# KiCad board impeller18.kicad_pcb (continued)
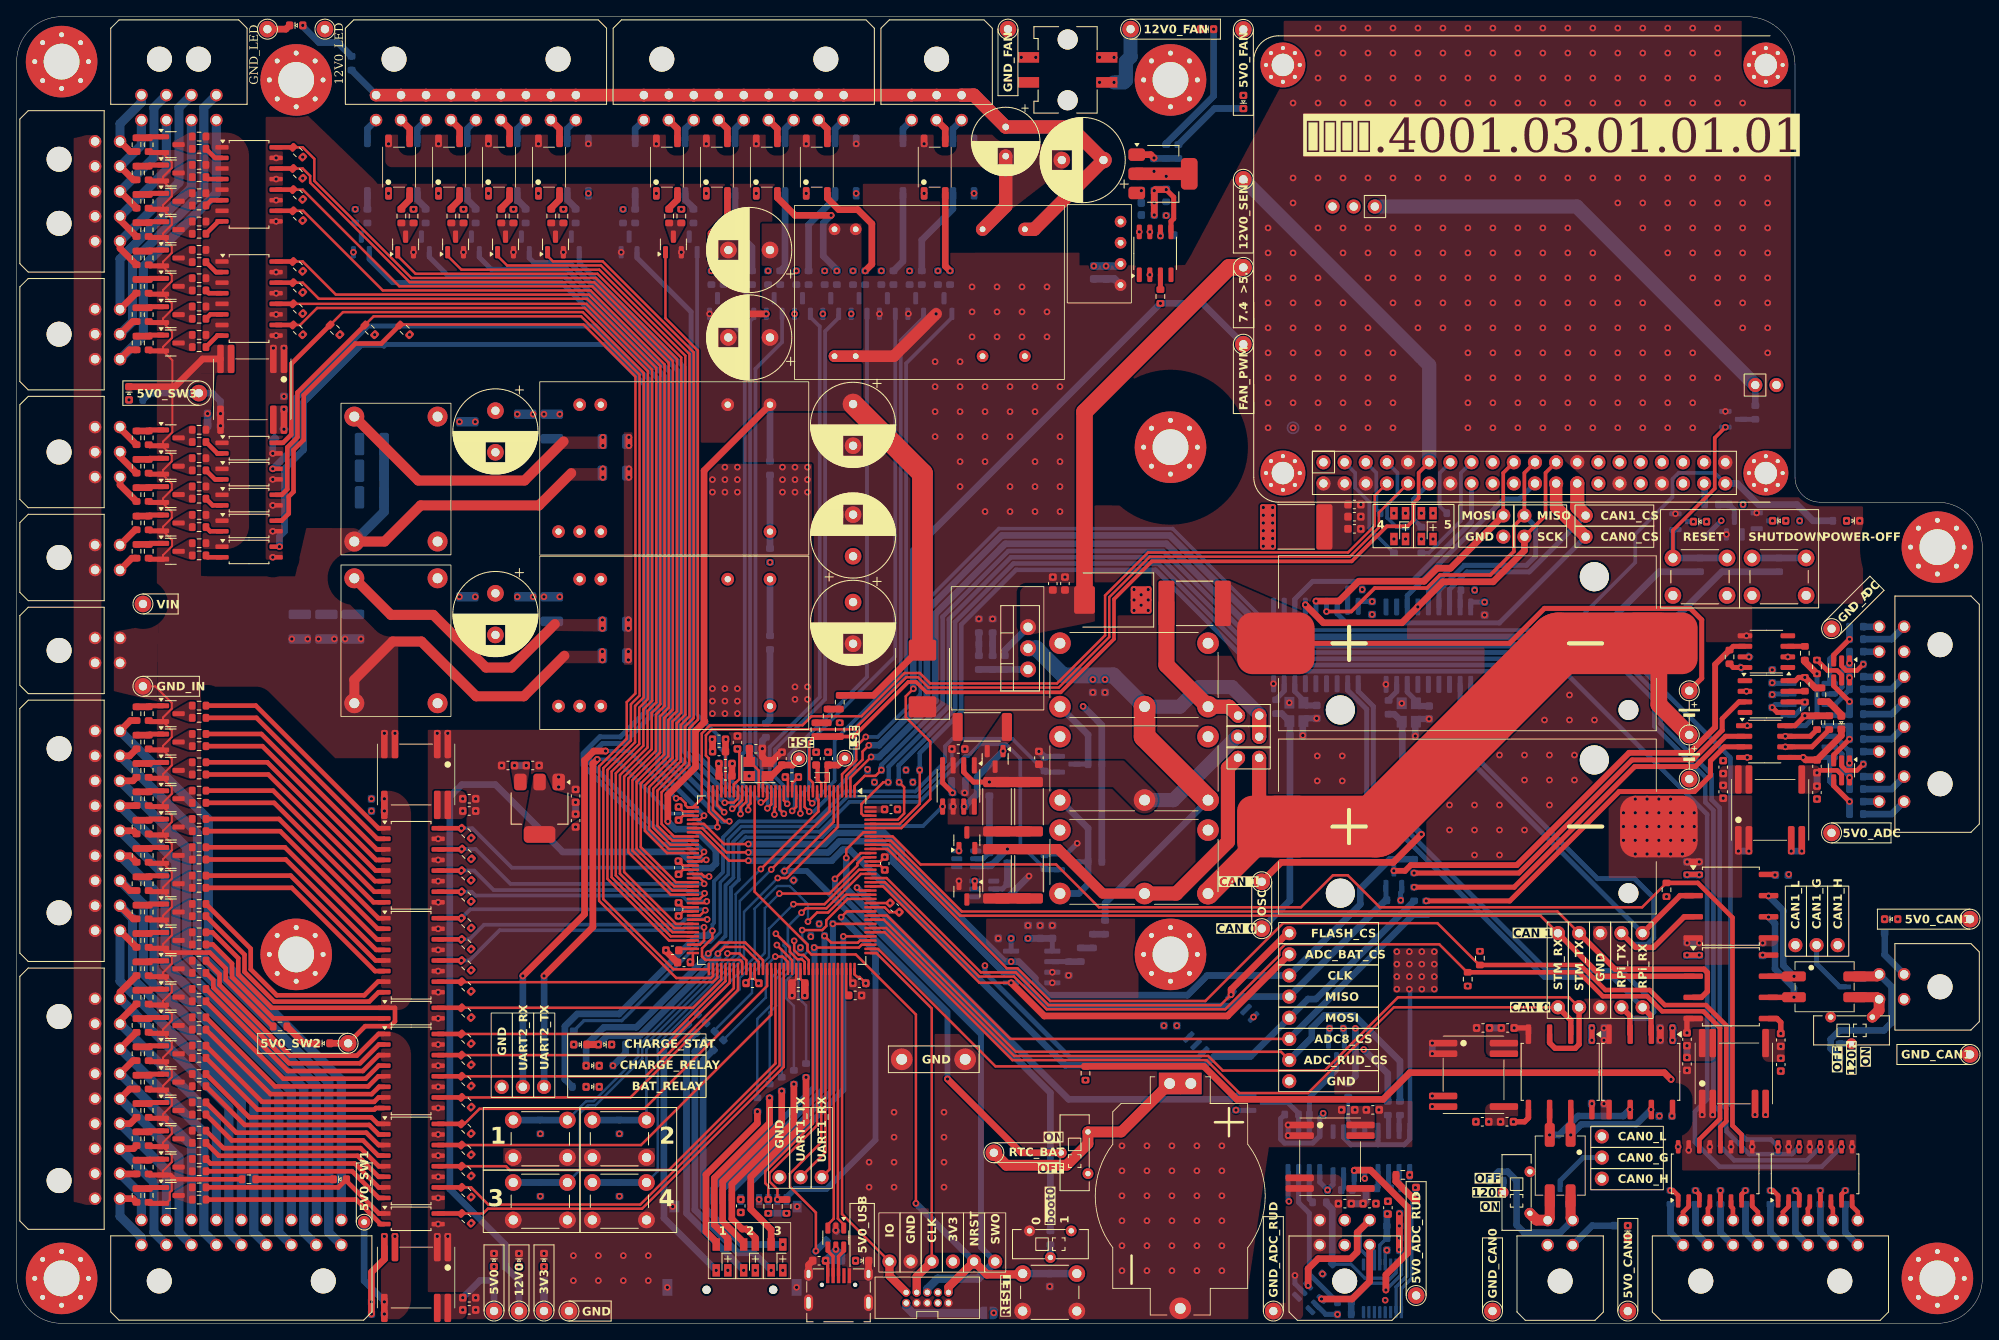
[diagram p0: board, top side]
## Nets (continued)
Net-(R69-Pad2): R69.2 U18.4
Net-(R70-Pad2): R70.2 U19.4
Net-(R79-Pad2): R79.2 U18.6
Net-(R80-Pad2): R80.2 U19.6
Net-(R89-Pad2): R89.2 U18.8
Net-(R90-Pad2): R90.2 U19.8
Net-(R99-Pad2): R99.2 U20.2
Net-(R100-Pad2): R100.2 U21.2
Net-(R109-Pad2): R109.2 U20.4
Net-(R110-Pad2): R110.2 U21.4
Net-(R119-Pad2): R119.2 U20.6
Net-(R120-Pad2): R120.2 U21.6
Net-(R129-Pad2): R129.2 U20.8
Net-(R130-Pad2): R130.2 U21.8
Net-(R139-Pad2): R139.2 U22.2
Net-(R140-Pad2): R140.2 U23.2
Net-(R148-Pad2): R148.2 U26.2
Net-(R153-Pad2): R153.2 U26.4
Net-(R158-Pad2): R158.2 U26.6
Net-(R163-Pad2): R163.2 U26.8
Net-(R169-Pad2): R169.2 U27.2
Net-(R174-Pad2): R174.2 U27.4
Net-(R179-Pad2): R179.2 U27.6
Net-(R184-Pad2): R184.2 U27.8
Net-(R189-Pad2): R189.2 U29.2
Net-(R194-Pad2): R194.2 U30.2
Net-(R199-Pad2): R199.2 U31.2
Net-(R204-Pad2): R204.2 U32.2
Net-(R209-Pad2): R209.2 U33.2
Net-(R212-Pad2): R212.2 U34.2
Net-(R215-Pad2): R215.2 U35.2
Net-(R217-Pad2): R217.2 U36.2
Net-(R218-Pad2): R218.2 U37.2
Net-(R221-Pad2): R221.2 U38.2
Net-(R223-Pad2): R223.2 U39.2
Net-(R224-Pad2): R224.2 U40.2
Net-(R227-Pad2): R227.2 U41.2
Net-(R229-Pad2): R229.2 U42.2
Net-(R230-Pad2): R230.2 U43.2
Net-(R232-Pad2): R232.2 U44.2
Net-(R234-Pad2): R234.2 U45.2
Net-(R236-Pad2): R236.2 U46.2
Net-(R238-Pad2): R238.2 U47.2
Net-(R240-Pad2): R240.2 U48.2
Net-(R242-Pad2): R242.2 U49.2
Net-(R244-Pad2): R244.2 U50.2
Net-(R246-Pad2): R246.2 U51.2
Net-(R248-Pad2): R248.2 U52.2
Net-(R250-Pad2): R250.2 U53.2
Net-(R252-Pad2): R252.2 U54.2
Net-(R299-Pad2): R299.2 U69.7
Net-(R301-Pad2): R301.2 U69.5
Net-(R303-Pad2): R303.2 U69.3
Net-(R305-Pad2): R305.2 U69.1
Net-(R307-Pad2): R307.2 U70.7
Net-(R309-Pad2): R309.2 U70.5
Net-(R311-Pad2): R311.2 U70.3
Net-(R313-Pad2): R313.2 U70.1
Net-(R348-Pad2): R348.2 R351.1 R352.1
Net-(SW2-B): R1.2 SW2.2
Net-(SW8-B): R39.2 SW8.2
Net-(SW9-B): R43.2 SW9.2
Net-(U3-REG): R6.2 R7.1 U3.11
Net-(U4-REG): R11.2 R14.1 U4.11
Net-(U5-VDD): C52.1 R17.1 U5.2
Net-(U6-TS): R22.1 R24.2 U6.4
Net-(U7-VDD): C55.1 R23.1 U7.2
Net-(U8-ADJ): R29.2 R31.1 R348.1 U8.1
Net-(U9-IN+): R36.1 R38.1 U9.2
Net-(U12-OSC1): R40.2 U12.8
Net-(U12-OSC2): C71.2 U12.7 Y3.1
Net-(U12-~{RESET}): R41.2 U12.17
Net-(U16-OSC1): R44.2 U16.8
Net-(U16-OSC2): C84.2 U16.7 Y4.1
Net-(U16-~{RESET}): R45.2 U16.17
Net-(U57-C): R260.1 U57.3
Net-(U57-EN): R259.2 U57.7
Net-(U59-C1): R261.1 U59.2
Net-(U59-C2): R262.2 U59.3
Net-(U61-C): R282.1 U61.3
Net-(U61-EN): R279.2 U61.7
Net-(U64-C): R290.2 U64.3
Net-(U64-EN): R289.1 U64.7
Net-(U65-AVDD): C119.2 C120.2 C121.2 L5.1 U65.12
Net-(U66-C1): R291.1 U66.2
Net-(U66-C2): R292.2 U66.3
Net-(U68-C1): R295.1 U68.2
Net-(U68-C2): R298.2 U68.3
Net-(U73-C): R337.2 U73.3
Net-(U73-EN): R335.1 U73.7

Pads without a net: H1 1; H2 1; H3 1; H4 1; H5 1; H6 1; H7 1; H8 1; H9 1; H10 1; H11 1; H12 1; H13 1; J2 7 8; J17 1 17 18 27 28 29 31 32 33 35 36 37; J33 4; J34 1; J35 2; J36 2 3; K1 12; K2 12; K3 12; SW8 3; SW9 3; U3 1; U4 1; U5 1 4 5; U7 1 4 5; U12 3 4 5 6 10 11; U16 3 4 5 6 10 11; U55 9 11; U57 1 4; U61 1 4; U64 1 4; U65 6 7 8 9; U67 1 6; U71 3; U73 1 4

## Via types
v1: diameter 0.8, hole 0.4, Top to Bottom, 1114 vias

## Routing (per net, layer and track width the routed paths; a pad name or vN(x,y) marks a point on that pad's centre or on a via; arc(x,y) is an arc through that point)
3V3: length 109.6
  Top w0.25: U1.32 C20.1
  Top w0.3: U1.108 100.63,41.9 100.94,41.59 101.23,41.59 v1(101.98,40.84) ; C18.1 84.63,65.47 U1.33 ; U1.121 v1(104.89,50.47) ; C6.1 80.02,60.97 U1.39 ; U1.30 86.13,64.72 86.37,64.97 86.42,64.97 86.79,65.34 86.79,68.75 v1(86.57,68.97) ; C7.1 80.02,54.47 U1.52 ; U1.95 94.13,41.36 C11.1 ; U1.72 81.22,43.37 81.18,43.34 C9.1 ; C8.1 80.02,49.47 U1.62 ; C10.1 88.63,41.36 U1.84 ; 92.33,65.6 92.52,65.6 92.63,65.49 U1.17 ; U1.131 103.73,55.47 v1(104.26,55.99)
  Top w0.8: C20.1 C19.1 ; C17.1 C18.1
  Top w0.9: C11.1 v1(94.65,39.38)
  In1.Cu w0.8: v1(198.86,35.45) v1(198.86,33.99) ; v1(189.18,35.45) v1(189.18,33.99) ; v1(67.13,62.56) v1(67.13,61.15) ; v1(200.62,44.22) v1(202.08,44.22) ; v1(200.62,53.86) v1(202.08,53.86)
  In2.Cu w0.8: v1(198.86,35.45) v1(198.86,33.99) ; v1(200.62,53.86) v1(202.08,53.86) ; v1(189.18,35.45) v1(189.18,33.99) ; v1(200.62,44.22) v1(202.08,44.22)
  Bottom w0.55: 167.34,23.3 167.34,40.05 v1(167.25,40.13) ; U66.4 167.34,23.16
  Bottom w0.6: Q60.1 146.48,25.57 v1(146.44,25.61) ; Q59.1 157.55,35.3 v1(157.68,35.42) ; v1(204.72,96.38) R345.1 ; U12.18 161.12,86.67 v1(162.79,86.67) ; U66.4 167.3,22.11 166.64,21.44 163.49,21.44 ; 163.49,21.44 160.22,21.44 159.36,22.3 U64.2 ; 163.49,21.44 U66.1 ; Q58.1 166.34,51.83 166.21,51.7 166.21,50.81 v1(166.22,50.8) ; 119.43,44.7 v1(119.43,46.23) ; v1(176.29,86.6) 174.77,86.6 174.62,86.45 U16.18 ; U9.1 C61.2
  Bottom w0.8: v1(121.46,46.22) C62.2 C61.2 ; v1(67.13,62.56) v1(67.13,61.15) ; C69.1 C70.1 ; C79.1 C78.1 ; v1(202.08,53.86) v1(200.62,53.86) ; v1(90.27,13.22) v1(92.46,13.22) ; C66.1 C65.1
  Bottom w0.9: R9.1 TP8.1
  vias: v1(34.36,140.04) v1(34.36,137.5) v1(34.36,134.96) v1(34.36,132.42) v1(34.36,126.33) v1(34.36,123.79) v1(34.36,121.25) v1(34.36,118.71) v1(38.81,118.71) v1(40.66,133.78) v1(43,118.71) v1(44.66,135.68) v1(47.19,118.71) v1(47.66,133.78) v1(50.66,135.68) v1(53.66,133.78) v1(54.58,58.28) v1(54.58,55.74) v1(54.58,53.2) v1(54.58,50.66) v1(54.58,47.48) v1(54.58,44.94) v1(54.58,42.4) v1(54.58,39.86) v1(54.58,36.72) v1(54.58,33.58) v1(54.58,31.04) v1(54.58,28.5) v1(54.58,25.96) v1(54.58,22.78) v1(54.58,20.24) v1(54.58,17.7) v1(54.58,15.16) v1(54.58,12.02) v1(56.66,135.68) v1(59.66,133.78) v1(62.66,135.68) v1(62.89,22.76) v1(62.89,15.26) v1(65.66,133.78) v1(68.66,135.68) v1(72.39,22.76) v1(72.39,15.26) v1(72.82,133.78) v1(76.82,135.68) v1(79.5,60.39) v1(79.5,53.89) v1(79.5,48.89) v1(79.82,133.78) v1(80.87,43.41) v1(82.82,135.68) v1(83.44,126.38) v1(83.56,101.31) v1(83.56,99.81) v1(83.56,76.22) v1(83.56,74.72) v1(83.56,73.22) v1(84.3,67.21) v1(85.06,102.81) v1(85.06,101.31) v1(85.06,99.81) v1(85.06,76.22) v1(85.06,74.72) v1(85.06,73.22) v1(85.18,70.13) v1(85.41,6.36) v1(86.56,102.81) v1(86.56,101.31) v1(86.56,99.81) v1(86.56,76.22) v1(86.56,74.72) v1(86.56,73.22) v1(86.84,126.38) v1(86.97,14.87) v1(88.71,6.36) v1(88.82,135.68) v1(89.1,40.84) v1(90.24,126.38) v1(91.97,102.81) v1(91.97,101.31) v1(91.97,99.81) v1(92.01,6.36) v1(92.28,65.6) v1(93.47,102.81) v1(93.47,101.31) v1(93.47,99.81) v1(93.47,76.43) v1(93.47,74.93) v1(93.64,126.38) v1(94.13,45.12) v1(94.82,135.68) v1(94.97,102.81) v1(94.97,101.31) v1(94.97,99.81) v1(94.97,76.43) v1(94.97,74.93) v1(95.37,46.43) v1(96.38,47.97) v1(97.04,126.38) v1(100.44,126.38) v1(100.82,135.68) v1(102.2,66.51) v1(103.02,64.98) v1(103.84,126.38) v1(104.24,61.72) v1(106.81,66.44) v1(107.24,126.38) v1(107.63,64.98) v1(108.98,135.68) v1(110.64,126.38) v1(114.98,135.68) v1(117.35,1.25) v1(128.36,29.2) v1(136.09,125.91) v1(139.33,35.74) v1(161.6,88.11) v1(165.75,44.63) v1(165.75,43.13) v1(165.75,41.63) v1(165.75,40.13) v1(166.8,94.18) v1(167.25,44.63) v1(167.25,43.13) v1(167.25,41.63) v1(168.75,44.63) v1(168.75,43.13) v1(168.75,41.63) v1(168.75,40.13) v1(170.1,94.18) v1(170.25,44.63) v1(170.25,43.13) v1(170.25,41.63) v1(170.25,40.13) v1(174.27,40.5) v1(175.1,88.04) v1(175.73,44.68) v1(198.14,51.24) v1(207.34,98.32) v1(207.74,75.89) v1(207.84,71.76) v1(207.84,67.95) v1(214.14,96.36)
3V3_VBAT: length 64
  Top w0.3: U1.6 98.13,60.21 v1(92.22,54.3)
  Top w0.8: SW3.2 120.65,20.48 v1(111.79,29.34)
  Bottom w0.7: v1(111.79,29.34) 111.79,37.42 94.89,54.32 92.23,54.32 v1(92.22,54.3)
5V0: length 59
  Top w0.6: R280.1 206.15,78.75 U61.8
  In1.Cu w0.8: v1(204.95,66.01) v1(204.95,64.6) ; v1(59.79,66.98) v1(61.2,66.98) ; v1(160.74,25.64) v1(162.05,25.64) ; v1(200.6,33.33) v1(200.6,31.92) ; v1(178.29,35.47) v1(176.88,35.47)
  Bottom w0.6: R293.1 156.5,24.67 U68.8 156.5,22.49 155.66,21.64 152.27,21.64 151.79,22.12 151.79,24.57 R296.1
  Bottom w0.8: R6.1 U3.14 ; TP7.1 57.33,5.08 R8.2 55.66,5.16 v1(53.58,3.07) ; v1(200.6,33.33) v1(200.6,31.92) ; v1(59.79,66.98) v1(61.2,66.98) ; v1(176.88,35.47) v1(178.29,35.47) ; v1(128.07,74.09) 130.33,71.83 R15.1 R12.1
  vias: v1(32.1,109.75) v1(32.1,107.36) v1(53.58,62.98) v1(53.58,61.52) v1(53.58,1.61) v1(134.2,88.11) v1(134.2,86.86) v1(134.2,85.61) v1(135.05,87.48) v1(135.05,86.23) v1(135.9,88.11) v1(135.9,86.86) v1(135.9,85.61) v1(149.72,97.96) v1(149.72,97.03) v1(149.72,96.1) v1(149.72,95.17) v1(149.72,94.24) v1(149.72,93.31) v1(150.84,97.96) v1(150.84,97.03) v1(150.84,96.1) v1(150.84,95.17) v1(150.84,94.24) v1(150.84,93.31) v1(156.9,25.22) v1(207.09,78.75)
5V0_ADC: length 27.3
  Top w0.55: v1(216.21,66.11) 216.5,66.4 218.64,66.4 219.17,65.86 U62.5 ; v1(216.21,79.64) 217.46,78.4 218.64,78.4 219.17,77.86 U60.5
  Top w0.6: U59.8 213.57,71.76 v1(214.76,72.95) ; U57.8 213.61,77.16 214.01,77.56 v1(214.75,77.56)
  Top w0.8: R258.2 R257.2 v1(214.76,72.95) ; 216.74,76.3 216.02,76.3 v1(214.75,77.56)
  In2.Cu w0.8: v1(210.84,76.91) v1(210.84,75.5) ; v1(216.21,66.11) v1(216.21,64.51)
  Bottom w0.6: v1(210.84,76.91) 210.91,76.84 U58.16 ; U58.15 210.91,75.57 v1(210.84,75.5)
  Bottom w0.8: v1(216.21,66.11) v1(216.21,64.51)
  vias: v1(212.71,80.02)
5V0_ADC_RUD: length 26.6
  In1.Cu w0.8: v1(157.44,16.01) 157.16,16.29 154.44,16.29 v1(152.79,14.65)
  In2.Cu w0.8: v1(161.7,14.38) v1(160.29,14.38)
  Bottom w0.4: U65.13 164.36,8.58 v1(164.56,8.78)
  Bottom w0.6: U64.8 158.09,16.67 v1(157.44,16.01) 156.5,16.95 U68.1 ; U67.5 157.22,1.07 v1(158.63,1.07) ; v1(152.79,14.65) 152.69,14.75 U68.4 ; U66.8 163.49,16.35 R287.2
  Bottom w0.8: v1(160.29,14.38) v1(161.7,14.38) 162.05,14.72 R286.2 162.24,16.21 R287.2
  vias: v1(156.83,5.94) v1(164.68,14.66) v1(167.98,16.29)
5V0_CAN0: length 1.4
  In1.Cu w0.8: v1(176.8,24.2) v1(178.21,24.2)
  vias: v1(189.18,26.37) v1(193.49,10.16) v1(198.79,24.9)
5V0_CAN1:
  vias: v1(209.7,44.22) v1(211.17,53.83) v1(211.87,33.25) v1(211.87,31.84) v1(225.91,48.53)
5V0_FAN: length 41.9
  Top w1.5: U74.2 U74.2
  In1.Cu w0.8: v1(134.82,131.06) 134.82,134.84 134.07,135.59 134.07,136.42 135.98,138.33 v1(136.6,138.33) 137.2,137.73 v1(138.06,137.73)
  In2.Cu w0.8: v1(136.6,138.33) 137.2,137.73 v1(138.06,137.73) 143.67,143.35 143.67,143.79 v1(147.32,147.44) TP38.1
  Bottom w0.8: v1(138.06,137.73) 137.2,137.73 v1(136.6,138.33)
5V0_SWITCHES_1: length 231.4
  Top w0.55: R57.1 24.36,41.92 24.36,40.64 32.85,32.15 40.87,32.15 43.46,34.75 U18.1 ; R67.1 32.58,30.3 41.58,30.3 43.48,32.21 U18.3 ; R97.1 27.93,24.75 42.58,24.75 43.38,23.95 U20.1 ; R127.1 23.28,19.19 40.62,19.19 43.48,16.33 U20.7 ; R77.1 31.03,28.45 42.22,28.45 43.44,29.67 U18.5 ; U22.1 43.51,13.19 39.61,17.09 D14.2 38.64,16.33 R137.1 ; R117.1 24.83,21.04 41.3,21.04 43.48,18.87 U20.5 ; R87.1 29.48,26.6 42.94,26.6 43.47,27.13 U18.7 ; U20.3 43.48,21.41 41.99,22.89 26.38,22.89 R107.1
  Bottom w0.8: TP25.1 41.74,5.1 44.16,2.68 v1(44.16,2.58)
  vias: v1(44.16,1.12)
5V0_SWITCHES_2: length 256.2
  Top w0.55: R108.1 32.22,57.16 43.27,46.11 U21.3 ; R68.1 29.39,70.77 43.25,56.91 U19.3 ; R118.1 32.91,53.76 43.11,43.57 U21.5 ; U19.7 42.94,51.83 30.81,63.96 R88.1 ; R58.1 28.72,74.17 43.45,59.45 U19.1 ; R78.1 30.11,67.37 43.11,54.37 U19.5 ; R128.1 28.11,44.98 28.11,42.51 31.24,39.39 41.75,39.39 43.39,41.03 U21.7 ; TP26.1 41.86,35.68 44.86,35.68 45.44,36.26 45.44,37.89 U23.1 30.61,37.89 26.61,41.89 26.61,43.85 23.51,46.95 R138.1 ; R98.1 31.53,60.56 43.44,48.65 U21.1
  Top w0.8: TP26.1 D15.2
  In1.Cu w0.8: v1(44.16,62.98) v1(44.16,61.52)
  In2.Cu w0.8: v1(44.16,62.98) v1(44.16,61.52)
  Bottom w0.8: v1(44.16,61.52) v1(44.16,62.98)
5V0_SWITCHES_3: length 15.9
  In1.Cu w0.8: v1(24.48,109.23) v1(24.48,107.77)
  In2.Cu w0.8: v1(24.48,109.23) v1(24.48,107.77)
  Bottom w0.8: R168.2 15.95,111.7 TP29.1 23.51,111.7 24.48,110.72 v1(24.48,109.23) v1(24.48,107.77)
7V4: length 72.2
  Top w1.7: J8.1 149.22,72.97 149.22,70.44
  Top w2.6: K1.14 135.46,70.45 K2.11
  Bottom w0.8: K1.14 130.72,50.46 R33.2
  Bottom w1.7: K2.11 139.7,74.05 142.05,76.4 145.96,76.4 149.23,73.13 149.23,70.45 149.22,70.44
  Bottom w1.905: K2.11 131.7,77.81 125.69,77.81 122.45,81.06 U8.2
  vias: v1(129.25,77.31) v1(130.71,77.31)
12V0: length 260.9
  Top w0.8: D4.2 108.33,80.84 102.9,75.41 R30.2 ; v1(78.2,60.27) 78.2,63.45 81.53,66.78 81.53,71.14 82.66,72.26 82.56,72.36 82.56,102.39 U4.14
  Top w2.5: D4.2 108.78,102.05 C49.1
  In1.Cu w0.8: U75.2 132.33,126.96 v1(130.83,126.96) v1(129.37,126.96)
  In2.Cu w2: U75.2 114.1,127.21 109.94,131.37 U55.22 U55.23
  Bottom w0.8: v1(78.2,60.27) 79.14,59.33 81.44,59.33 83.98,56.79 83.98,55.22 83.41,54.65 81.75,54.65 79.8,56.6 65.58,56.6 57.49,64.69 53.47,64.69 52.02,63.24 52.02,16.12 58.68,9.46 R10.1 60.33,5.16 TP5.1 ; U4.14 R11.1
  Bottom w0.9: U75.2 132.58,127.04 132.49,126.96 v1(130.83,126.96) v1(129.37,126.96)
12V0_FAN: length 18
  In1.Cu w0.8: v1(130.05,149.01) v1(131.79,149.01)
  In2.Cu w0.8: v1(142.17,155.4) TP37.1
  Bottom w1.7: v1(131.79,149.01) 132.97,149.01 133.22,149.26 133.22,151.52 133.78,152.08 TP37.1
  vias: v1(135.07,136.01)
12V0_LED: length 428.6
  Top w1.5: J27.1 J27.2 J27.3 J27.4 J27.5 J27.6 J27.7 J27.8 J27.9 J28.1 J28.2 J28.3 J28.4 J28.5 J28.6 J28.7 J28.8 J28.9 J26.1 J26.2 J26.3
  Top w1.6: U55.14 122.21,131.37 C106.1 126.55,143.65 C107.1 114.96,147.48 J26.3
  In1.Cu w1.5: J26.3 J26.2 J26.1 J28.9 J28.8 J28.7 J28.6 J28.5 J28.4 J28.3 J28.2 J28.1 J27.9 J27.8 J27.7 J27.6 J27.5 J27.4 J27.3 J27.2 J27.1
  In1.Cu w1.6: U55.14 122.21,131.37 C106.1 126.55,143.65 C107.1 114.96,147.48 J26.3
  In2.Cu w1.5: J26.3 J26.2 J26.1 J28.9 J28.8 J28.7 J28.6 J28.5 J28.4 J28.3 J28.2 J28.1 J27.9 J27.8 J27.7 J27.6 J27.5 J27.4 J27.3 J27.2 J27.1 40.38,150.26 40.38,152.04 37.02,155.4 37.01,155.4
  In2.Cu w1.6: J26.3 114.96,147.48 C107.1 126.55,143.65 C106.1 122.21,131.37 U55.14
  Bottom w0.8: R253.1 43.16,147.54 J27.1
  Bottom w1.5: J27.1 J27.2 J27.3 J27.4 J27.5 J27.6 J27.7 J27.8 J27.9 J28.1 J28.2 J28.3 J28.4 J28.5 J28.6 J28.7 J28.8 J28.9 J26.1 J26.2 J26.3
  Bottom w1.6: J26.3 114.96,147.48 C107.1 126.55,143.65 C106.1 122.21,131.37 U55.14
12V0_SENS: length 144.5
  Top w0.3: U1.11 95.63,64.93 95.19,65.37 95.19,69.84 95.81,70.46 R34.1
  Top w0.44: J17.11 168.37,102.12 168.37,99.09 167.75,98.47 167.75,96.42 167.04,95.71 164.55,95.71 160.33,91.49 136.32,91.49 131.79,86.95 131.79,82.17 125.39,75.77 109.27,75.77 108.03,77.02 107.08,77.02 100.53,70.46 R37.2
  Top w0.8: R34.1 R37.2
  Bottom w1.7: J17.11 169.64,115.05 TP41.1
GND: length 141.6
  Top w0.3: C6.2 80.02,61.47 U1.38 ; U1.61 80.02,49.97 C8.2 ; C11.2 93.63,41.36 U1.94 ; C7.2 80.02,54.97 U1.51 ; v1(87.56,40.9) 88.13,41.47 U1.83 ; U1.16 93.13,64.85 C4.2 ; U1.130 103.73,54.97 v1(104.26,54.44) ; C18.2 85.63,65.47 U1.31 ; U1.107 100.13,40.84 v1(100.43,40.84) ; U1.120 104.23,49.97 104.82,49.37 v1(105.99,49.37)
  Top w0.65: U10.4 181.56,35.47 v1(179.84,35.47) ; U14.4 200.6,36.6 v1(200.6,34.88)
  Top w0.8: v1(73.53,101.59) v1(73.53,102.59) ; v1(90.02,121.21) v1(86.62,121.21) ; v1(77.97,44.8) 77.97,44.7 79.34,43.34 C9.2 ; v1(73.53,105.39) v1(73.53,106.39) ; J33.6 95.1,7.02 C124.2 ; v1(197.41,35.45) v1(197.41,33.99) ; v1(89.56,69) 89.56,68.04 Y1.3 90.64,67.42 91.81,68.58 v1(91.91,68.58) ; v1(202.08,55.41) v1(200.62,55.41) ; C18.2 C17.2 ; v1(73.47,80.66) v1(73.47,79.66) ; v1(73.47,84.46) v1(73.47,83.46) ; C19.2 v1(83.58,68.67) ; J33.6 102.3,7.5 D28.1 102.29,7.56
  Top w0.9: C3.2 C11.2
  Top w1.4: v1(110.42,121.21) 105.34,116.13 U55.3 U55.2
  In1.Cu w0.8: v1(190.63,35.45) v1(190.63,33.99) ; v1(200.62,55.41) v1(202.08,55.41) ; v1(197.41,35.45) v1(197.41,33.99) ; v1(73.53,105.39) v1(73.53,106.39) ; v1(73.47,80.66) v1(73.47,79.66) ; v1(73.53,102.59) v1(73.53,101.59) ; v1(208.04,56.71) v1(206.77,56.71) ; v1(200.62,45.67) v1(202.08,45.67) ; v1(73.47,84.46) v1(73.47,83.46)
  In2.Cu w0.8: v1(73.53,101.59) v1(73.53,102.59) ; v1(200.06,56.35) 200.06,55.97 v1(200.62,55.41) v1(202.08,55.41) 202.08,57.4 v1(201.47,58) ; v1(50.51,70.85) v1(51.78,70.85) ; v1(170.01,33.65) v1(170.01,32.38) ; v1(124.38,42.16) v1(124.38,40.89) ; v1(73.47,79.66) v1(73.47,80.66) ; v1(73.53,105.39) v1(73.53,106.39) ; v1(206.77,56.71) v1(208.04,56.71) ; v1(197.41,35.45) v1(197.41,33.99) ; v1(200.62,45.67) v1(202.08,45.67) ; v1(55.13,62.98) v1(55.13,61.52) ; v1(97.4,68.58) v1(96.01,68.58) ; v1(55.13,3.07) v1(55.13,1.61) ; v1(65.1,65.6) v1(65.1,64.4) ; v1(73.47,83.46) v1(73.47,84.46) ; v1(152.69,23.81) v1(152.69,22.54) ; v1(190.63,35.45) v1(190.63,33.99)
  Bottom w0.6: U7.3 C55.2 ; R16.1 123.58,68.09 125.17,68.09 ; R13.1 123.58,56.37 126.1,56.37 v1(127.37,57.64)
  Bottom w0.75: v1(156.12,72.64) 154.87,72.64 Y3.2 ; v1(169.62,72.57) 168.37,72.57 Y4.2
  Bottom w0.8: v1(89.56,69) 89.56,69.95 R7.2 ; Y4.2 167.97,72.17 v1(167.97,70.52) ; v1(170.01,33.65) v1(170.01,32.38) ; C66.2 C65.2 ; v1(154.47,70.59) 154.47,72.24 Y3.2 ; v1(73.47,79.66) v1(73.47,80.66) ; C69.2 C70.2 ; v1(122.77,68.68) 123.45,67.99 R16.1 ; v1(73.47,83.46) v1(73.47,84.46) ; C55.2 119.08,51.21 v1(121.58,53.7) ; C79.2 C78.2 ; v1(202.08,55.41) v1(200.62,55.41) ; v1(30.76,104.46) 30.76,106.02 C104.2 ; v1(71.61,30.94) 73.13,32.46 R28.1 ; v1(206.77,56.71) v1(208.04,56.71)
  Bottom w0.9: U75.1 131.84,125.41 C126.2 C125.1
  vias: v1(30.83,117.1) v1(30.76,101.34) v1(30.76,98.22) v1(30.76,95.11) v1(30.76,91.99) v1(31.16,139.94) v1(31.16,137.4) v1(31.16,134.86) v1(31.16,132.32) v1(31.16,126.23) v1(31.16,123.69) v1(31.16,121.15) v1(31.16,118.61) v1(32.1,117.1) v1(32.1,111.3) v1(40.44,128.61) v1(47.66,128.61) v1(50.51,10.45) v1(50.62,58.18) v1(50.62,55.64) v1(50.62,53.1) v1(50.62,50.56) v1(50.62,47.38) v1(50.62,44.84) v1(50.62,42.3) v1(50.62,39.76) v1(50.62,36.62) v1(50.62,33.48) v1(50.62,30.94) v1(50.62,28.4) v1(50.62,25.86) v1(50.62,22.68) v1(50.62,20.14) v1(50.62,17.6) v1(50.62,15.06) v1(50.62,11.92) v1(51.78,10.45) v1(53.66,128.61) v1(57.33,8.38) v1(58.24,66.98) v1(59.66,128.61) v1(60.33,8.38) v1(62.75,66.98) v1(63.33,8.38) v1(65.66,128.61) v1(66.86,8.13) v1(66.86,5.13) v1(67.13,64.11) v1(67.13,59.6) v1(69.86,8.13) v1(69.86,5.13) v1(69.96,28.4) v1(72.6,128.61) v1(72.86,8.13) v1(72.86,5.13) v1(75.86,8.13) v1(75.86,5.13) v1(78.15,4.32) v1(78.79,14.02) v1(79.42,55.54) v1(79.5,62.04) v1(79.5,50.54) v1(79.82,128.61) v1(83.22,121.21) v1(83.53,70.13) v1(85.95,67.21) v1(86.57,70.52) v1(86.97,13.32) v1(87.98,65.72) v1(89.17,14.87) v1(90.48,91.39) v1(93.13,39.38) v1(93.31,53.2) v1(93.42,121.21) v1(93.74,14.02) v1(93.67,4.32) v1(93.93,65.6) v1(96.82,121.21) v1(98.38,11.18) v1(98.85,72.11) v1(100.22,121.21) v1(101.48,39.38) v1(102.37,19.35) v1(102.37,16.35) v1(103.62,121.21) v1(105.37,25.35) v1(105.37,22.35) v1(105.37,19.35) v1(105.37,16.35) v1(105.79,61.72) v1(107.09,121.23) v1(110.3,115.47) v1(110.3,112.47) v1(110.3,109.47) v1(110.3,106.47) v1(111.37,25.35) v1(111.37,22.35) v1(111.37,19.35) v1(111.37,16.35) v1(112.47,62.05) v1(113.17,53.11) v1(113.3,115.47) v1(113.3,112.47) v1(113.3,109.47) v1(113.3,106.47) v1(113.3,103.47) v1(113.3,100.47) v1(113.87,68.96) v1(114.74,124.45) v1(114.74,121.45) v1(114.74,118.45) v1(115.56,84.59) v1(116.3,112.47) v1(116.3,109.47) v1(116.3,106.47) v1(116.3,103.47) v1(116.3,97.47) v1(117.21,84.59) v1(117.74,124.45) v1(117.74,121.45) v1(117.74,118.45) v1(117.88,46.23) v1(119.3,112.47) v1(119.3,109.47) v1(119.3,106.47) v1(119.3,100.47) v1(119.3,97.47) v1(120.74,124.45) v1(120.74,121.45) v1(120.74,118.45) v1(121.46,47.77) v1(122.3,112.47) v1(122.3,109.47) v1(122.3,103.47) v1(122.3,100.47) v1(122.3,97.47) v1(122.92,47.77) v1(123.74,124.45) v1(123.74,121.45) v1(123.74,118.45) v1(124.07,4.42) v1(124.44,89.61) v1(124.38,47.77) v1(125.3,112.47) v1(125.3,106.47) v1(125.3,103.47) v1(125.3,100.47) v1(125.3,97.47) v1(125.9,89.61) v1(126.34,41.78) v1(129.25,75.76) v1(130.71,75.76) v1(132.75,21.32) v1(132.75,18.32) v1(132.75,15.32) v1(132.75,12.32) v1(132.75,9.32) v1(132.75,6.32) v1(135.75,21.32) v1(135.75,18.32) v1(135.75,15.32) v1(135.75,12.32) v1(135.75,9.32) v1(135.75,6.32) v1(137.78,35.74) v1(138.75,21.32) v1(138.75,18.32) v1(138.75,15.32) v1(138.75,12.32) v1(138.75,9.32) v1(138.75,6.32) v1(141.75,21.32) v1(141.75,18.32) v1(141.75,15.32) v1(141.75,12.32) v1(141.75,9.32) v1(141.75,6.32) v1(144.75,21.32) v1(144.75,18.32) v1(144.75,15.32) v1(144.75,12.32) v1(144.75,9.32) v1(144.75,6.32) v1(148.54,36.78) v1(150.29,131.53) v1(150.29,128.53) v1(150.29,125.53) v1(150.29,122.53) v1(150.29,119.53) v1(150.29,116.53) v1(150.29,113.53) v1(150.29,110.53) v1(150.29,107.53) v1(150.94,76.8) v1(152.84,74.52) v1(153.29,146.53) v1(153.29,137.53) v1(153.29,134.53) v1(153.29,128.53) v1(153.29,125.53) v1(153.29,122.53) v1(153.29,119.53) v1(153.29,116.53) v1(153.29,113.53) v1(153.29,110.53) v1(153.29,107.53) v1(156.2,68.13) v1(156.2,65.13) v1(156.29,155.53) v1(156.29,152.53) v1(156.29,149.53) v1(156.29,146.53) v1(156.29,137.53) v1(156.29,131.53) v1(156.29,125.53) v1(156.29,122.53) v1(156.29,119.53) v1(156.29,116.53) v1(156.29,113.53) v1(156.29,110.53) v1(156.29,107.53) v1(159.09,25.64) v1(159.2,68.13) v1(159.2,65.13) v1(159.29,155.53) v1(159.29,152.53) v1(159.29,149.53) v1(159.29,146.53) v1(159.29,137.53) v1(159.29,131.53) v1(159.29,128.53) v1(159.29,122.53) v1(159.29,119.53) v1(159.29,116.53) v1(159.29,113.53) v1(159.29,110.53) v1(159.29,107.53) v1(161.43,98.32) v1(161.43,96.86) v1(161.43,95.4) v1(162.29,155.53) v1(162.29,152.53) v1(162.29,149.53) v1(162.29,146.53) v1(162.29,137.53) v1(162.29,131.53) v1(162.29,128.53) v1(162.29,125.53) v1(162.29,119.53) v1(162.29,116.53) v1(162.29,113.53) v1(162.29,110.53) v1(162.29,107.53) v1(162.79,85.12) v1(163.6,25.64) v1(164.44,76.73) v1(165.29,155.53) v1(165.29,152.53) v1(165.29,149.53) v1(165.29,146.53) v1(165.29,137.53) v1(165.29,131.53) v1(165.29,128.53) v1(165.29,125.53) v1(165.29,122.53) v1(165.29,116.53) v1(165.29,113.53) v1(165.29,110.53) v1(165.29,107.53) v1(166.34,74.45) v1(168.29,155.53) v1(168.29,152.53) v1(168.29,149.53) v1(168.29,146.53) v1(168.29,137.53) v1(168.29,131.53) v1(168.29,128.53) v1(168.29,125.53) v1(168.29,122.53) v1(168.29,119.53) v1(171.29,155.53) v1(171.29,152.53) v1(171.29,149.53) v1(171.29,146.53) v1(171.29,137.53) v1(171.29,131.53) v1(171.29,128.53) v1(171.29,125.53) v1(171.29,122.53) v1(171.29,119.53) v1(172.08,62.24) v1(172.08,59.24) v1(174.29,155.53) v1(174.29,152.53) v1(174.29,149.53) v1(174.29,146.53) v1(174.29,137.53) v1(174.29,131.53) v1(174.29,128.53) v1(174.29,125.53) v1(174.29,122.53) v1(174.29,119.53) v1(174.29,116.53) v1(174.29,113.53) v1(174.29,110.53) v1(174.29,107.53) v1(175.08,62.24) v1(175.08,59.24) v1(175.08,56.24) v1(175.33,35.47) v1(176.29,85.05) v1(177.29,155.53) v1(177.29,152.53) v1(177.29,149.53) v1(177.29,146.53) v1(177.29,137.53) v1(177.29,131.53) v1(177.29,128.53) v1(177.29,125.53) v1(177.29,122.53) v1(177.29,119.53) v1(177.29,116.53) v1(177.29,113.53) v1(177.29,110.53) v1(177.29,107.53) v1(178.08,68.24) v1(178.08,62.24) v1(178.08,59.24) v1(178.08,56.24) v1(180.29,155.53) v1(180.29,152.53) v1(180.29,149.53) v1(180.29,146.53) v1(180.29,137.53) v1(180.29,131.53) v1(180.29,128.53) v1(180.29,125.53) v1(180.29,122.53) v1(180.29,119.53) v1(180.29,116.53) v1(180.29,113.53) v1(180.29,110.53) v1(180.29,107.53) v1(181.08,68.24) v1(181.08,65.24) v1(181.08,59.24) v1(183.29,155.53) v1(183.29,152.53) v1(183.29,149.53) v1(183.29,146.53) v1(183.29,137.53) v1(183.29,131.53) v1(183.29,128.53) v1(183.29,125.53) v1(183.29,122.53) v1(183.29,119.53) v1(183.29,116.53) v1(183.29,113.53) v1(183.29,110.53) v1(183.29,107.53) v1(183.49,72.45) v1(184.08,68.24) v1(184.08,65.24) v1(184.08,62.24) v1(186.29,155.53) v1(186.29,152.53) v1(186.29,149.53) v1(186.29,146.53) v1(186.29,137.53) v1(186.29,131.53) v1(186.29,128.53) v1(186.29,125.53) v1(186.29,122.53) v1(186.29,119.53) v1(186.29,116.53) v1(186.29,113.53) v1(186.29,110.53) v1(186.29,107.53) v1(186.49,75.45) v1(186.49,72.45) v1(187.08,68.24) v1(187.08,65.24) v1(189.29,155.53) v1(189.29,152.53) v1(189.29,149.53) v1(189.29,146.53) v1(189.29,137.53) v1(189.29,128.53) v1(189.29,125.53) v1(189.29,122.53) v1(189.29,119.53) v1(189.29,116.53) v1(189.29,113.53) v1(189.29,110.53) v1(189.29,107.53) v1(189.49,72.45) v1(192.29,155.53) v1(192.29,152.53) v1(192.29,149.53) v1(192.29,146.53) v1(192.29,137.53) v1(192.29,134.53) v1(192.29,125.53) v1(192.29,122.53) v1(192.29,119.53) v1(192.29,116.53) v1(192.29,113.53) v1(192.29,110.53) v1(192.29,107.53) v1(192.97,61.3) v1(192.97,59.65) v1(192.97,58) v1(194.39,62.95) v1(194.39,61.3) v1(194.39,59.65) v1(194.39,58) v1(194.39,56.35) v1(195.29,155.53) v1(195.29,152.53) v1(195.29,149.53) v1(195.29,146.53) v1(195.29,137.53) v1(195.29,134.53) v1(195.29,131.53) v1(195.29,122.53) v1(195.29,119.53) v1(195.29,116.53) v1(195.29,113.53) v1(195.29,110.53) v1(195.29,107.53) v1(195.81,62.95) v1(195.81,61.3) v1(195.81,59.65) v1(195.81,58) v1(195.81,56.35) v1(197.22,62.95) v1(197.22,61.3) v1(197.22,59.65) v1(197.22,58) v1(197.22,56.35) v1(198.29,155.53) v1(198.29,152.53) v1(198.29,149.53) v1(198.29,146.53) v1(198.29,137.53) v1(198.29,134.53) v1(198.29,131.53) v1(198.29,128.53) v1(198.29,119.53) v1(198.29,116.53) v1(198.29,113.53) v1(198.29,110.53) v1(198.29,107.53) v1(198.64,62.95) v1(198.64,61.3) v1(198.64,59.65) v1(198.64,58) v1(198.64,56.35) v1(199.21,97.21) v1(200.06,61.3) v1(200.06,59.65) v1(200.06,58) v1(200.6,30.37) v1(200.81,20.8) v1(201.29,155.53) v1(201.29,152.53) v1(201.29,149.53) v1(201.29,146.53) v1(201.29,137.53) v1(201.29,134.53) v1(201.29,131.53) v1(201.29,128.53) v1(201.29,125.53) v1(201.29,116.53) v1(201.29,113.53) v1(201.29,110.53) v1(201.29,107.53) v1(201.47,61.3) v1(201.47,59.65) v1(202.42,25.05) v1(203.35,21.2) v1(203.69,25.05) v1(204.29,155.53) v1(204.29,152.53) v1(204.29,149.53) v1(204.29,146.53) v1(204.29,137.53) v1(204.29,134.53) v1(204.29,131.53) v1(204.29,128.53) v1(204.29,125.53) v1(204.29,122.53) v1(204.29,113.53) v1(204.95,67.56) v1(204.95,63.05) v1(205.22,109.51) v1(205.34,94.73) v1(205.89,21.2) v1(207.29,146.53) v1(207.29,137.53) v1(207.29,134.53) v1(207.29,131.53) v1(207.29,128.53) v1(207.29,125.53) v1(207.29,122.53) v1(207.29,119.53) v1(207.74,82.56) v1(208.43,21.2) v1(208.97,97.31) v1(210.29,137.53) v1(210.29,134.53) v1(210.29,131.53) v1(210.29,128.53) v1(210.29,125.53) v1(210.29,122.53) v1(210.29,119.53) v1(210.29,116.53) v1(212.81,21.2) v1(215.35,21.2) v1(217.89,21.2) v1(220.43,21.2) v1(221.34,96.36)